# Altium PCB MiniPowerModule.Ver.A1.PcbDoc
Units mm, origin at the board's own origin, x right, y up, seen from the top; angles counter-clockwise.
Board outline 55.88 x 38.1 mm, 4 copper layers (Top Layer, Ground Plane, Power Plane, Bottom Layer), stack 1.586 mm thick; 91 components, 42 nets, 361 pads, 132 vias.
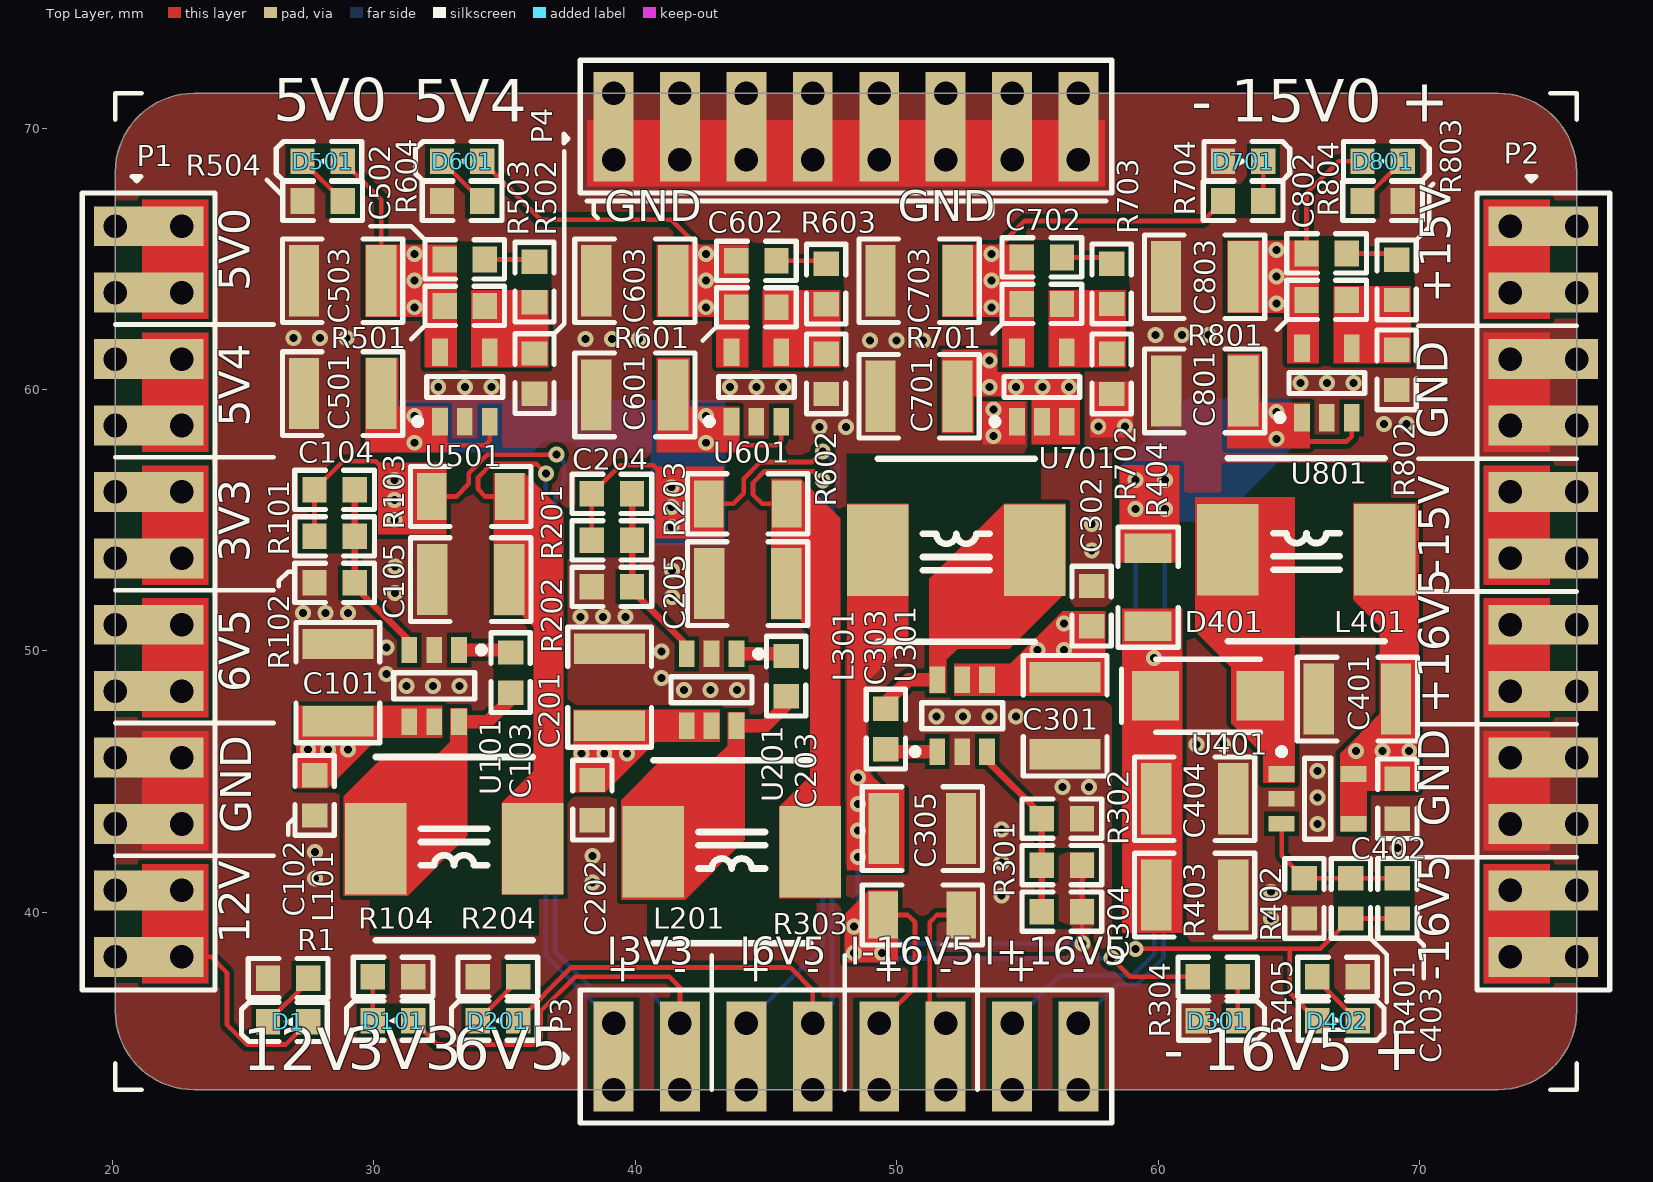
[diagram p0: Top Layer view]
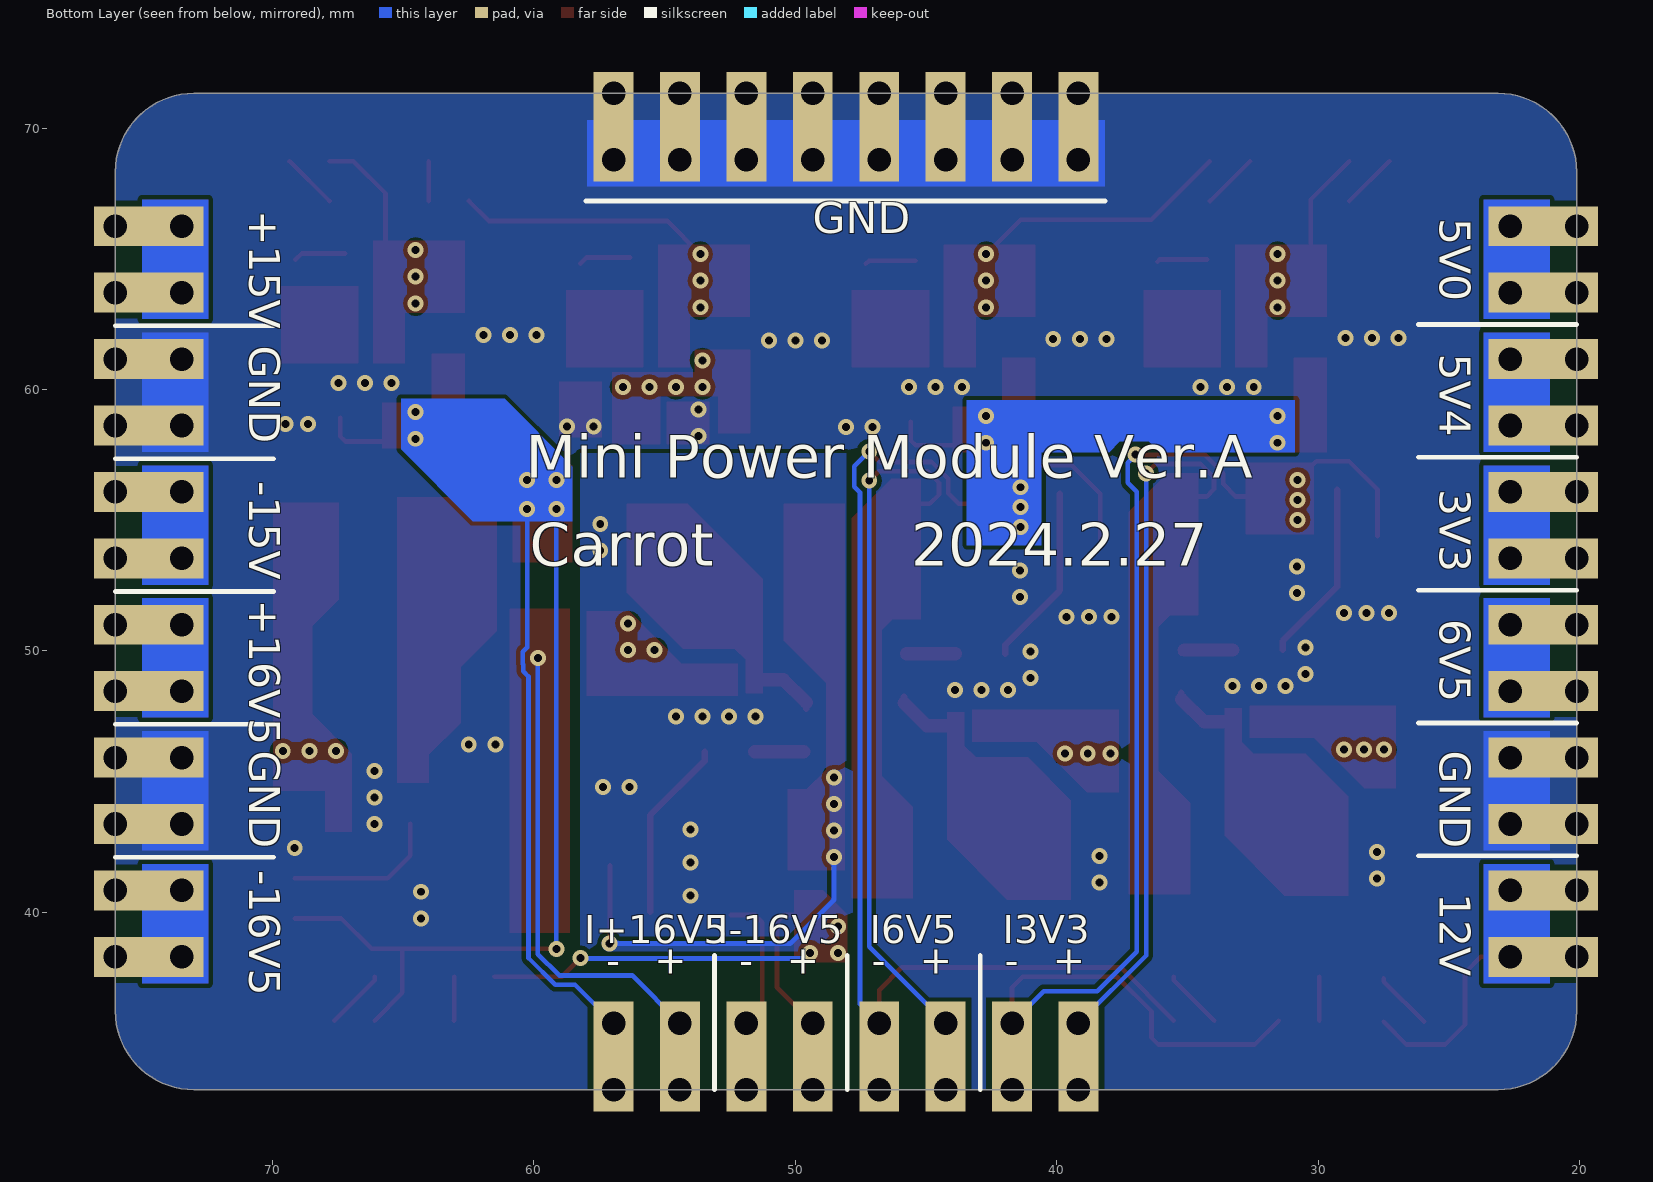
[diagram p1: Bottom Layer view, seen from below]
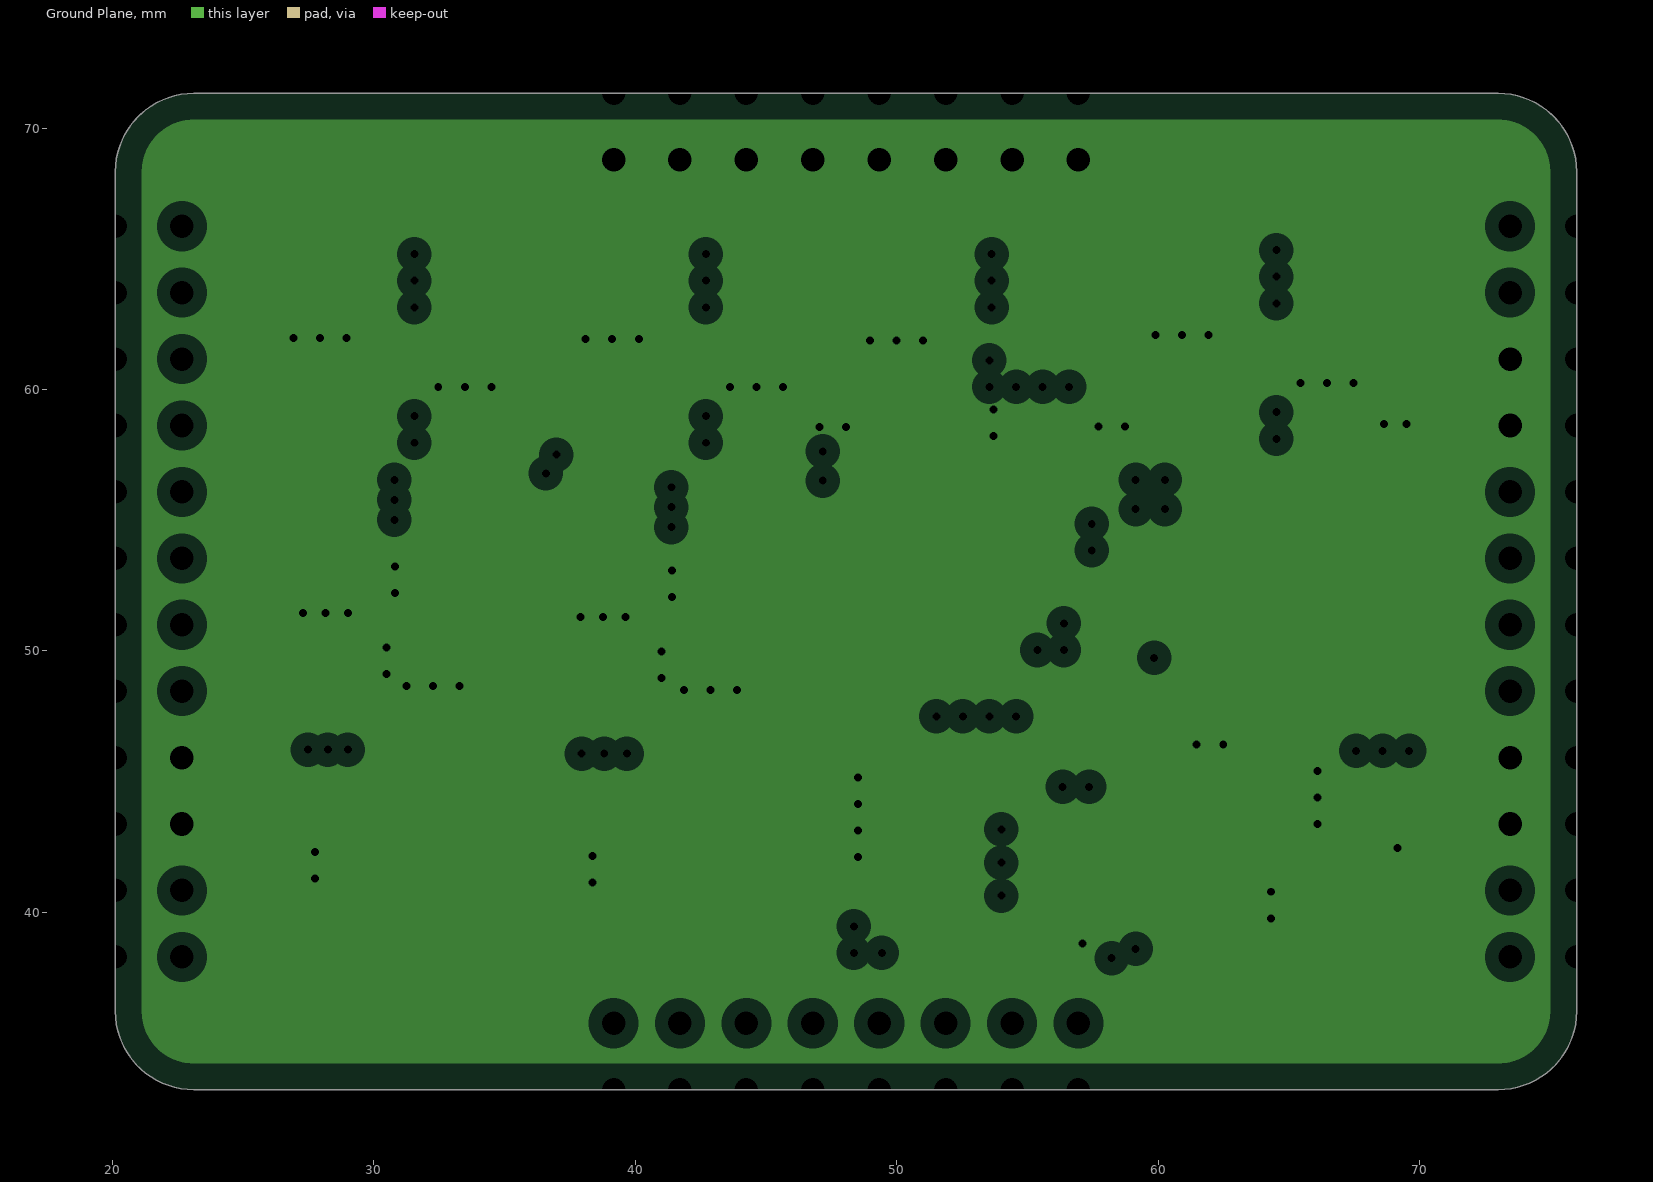
[diagram p2: Ground Plane, clearances drawn from the general rule]
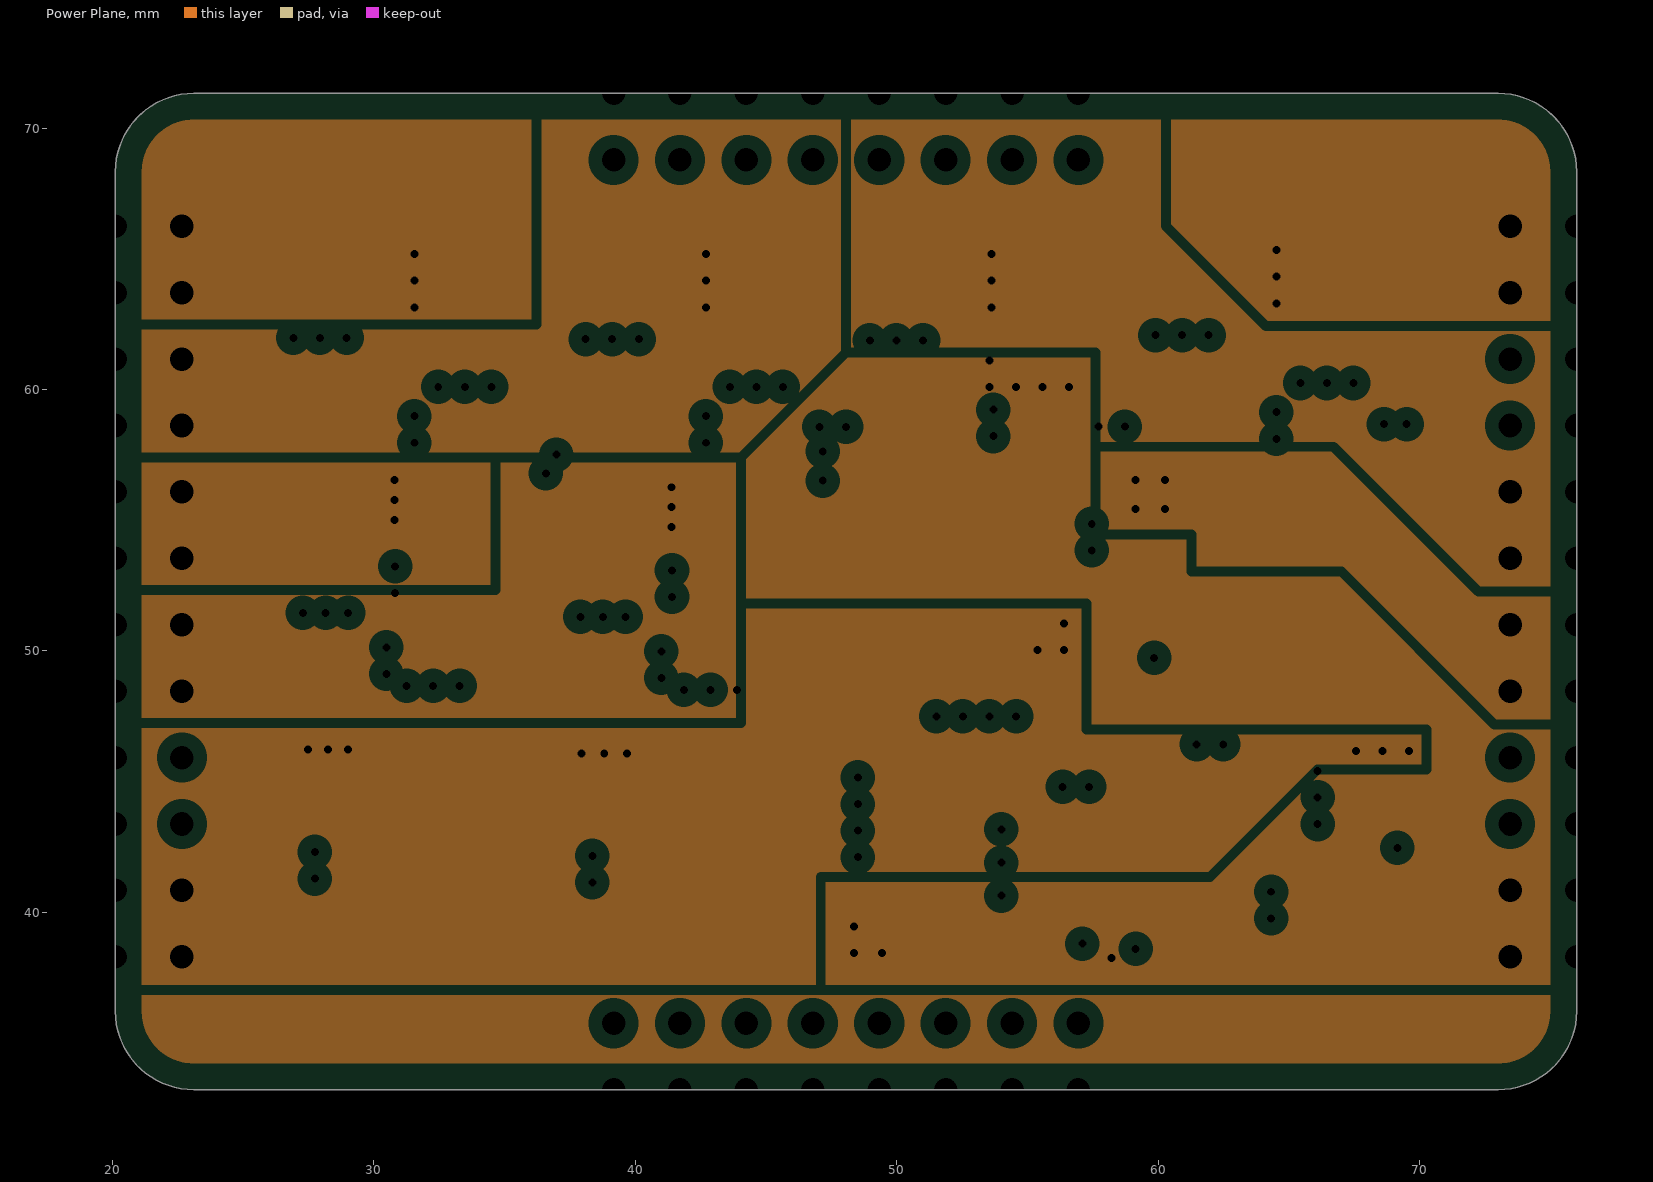
[diagram p3: Power Plane, clearances drawn from the general rule]
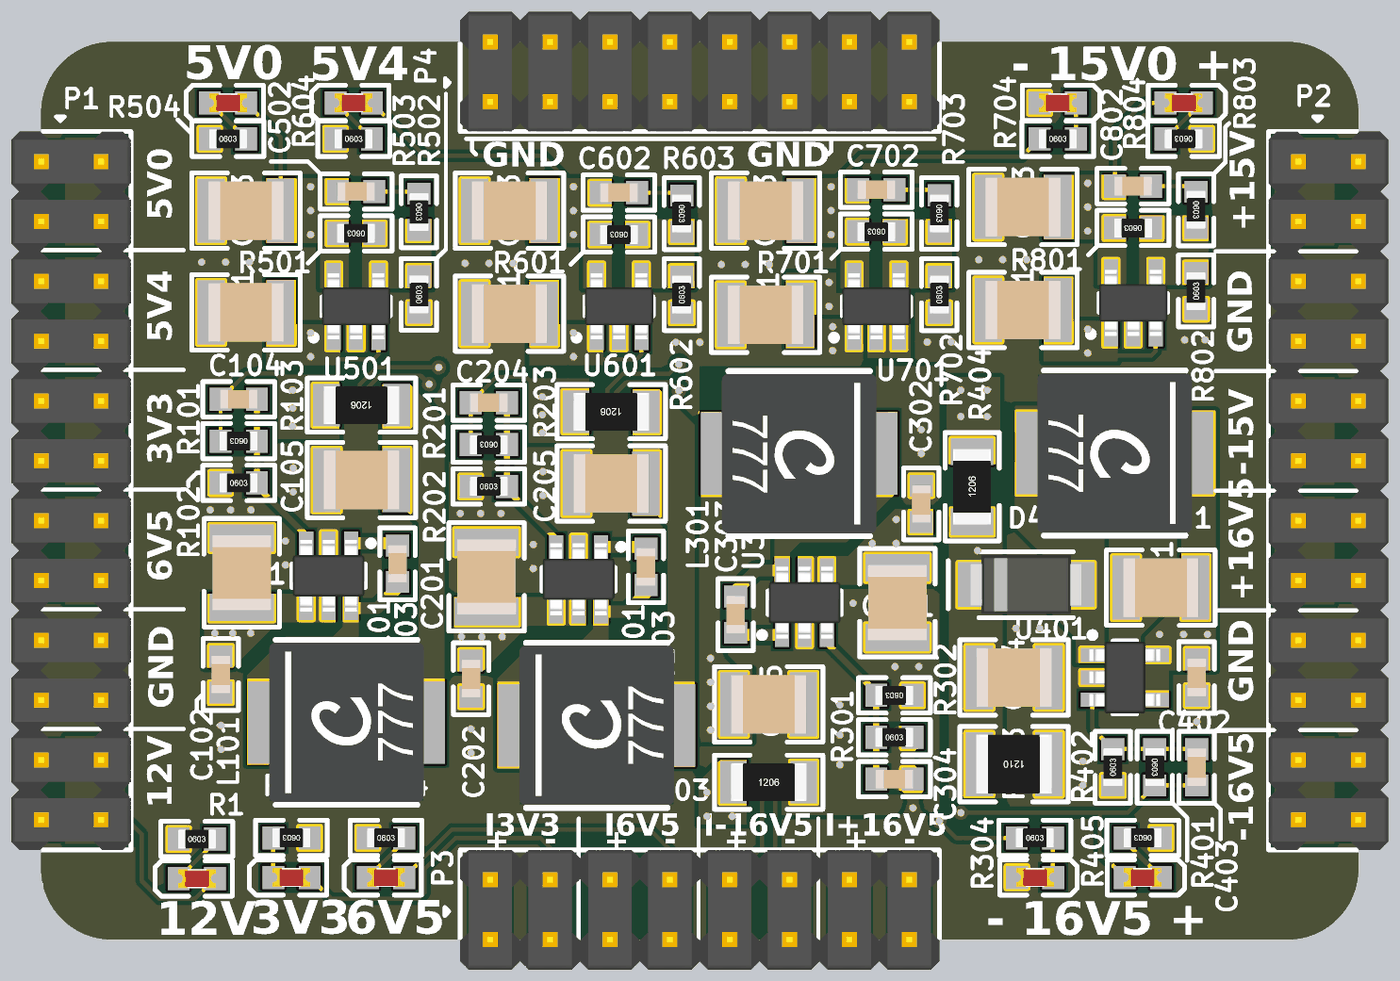
[diagram p4: 3D render of the assembled board from above, using the file's embedded part models]

## Layer stack, top to bottom
Top Solder: solder mask 0.0127, Solder Resist, Dk 3.8
Top Layer: signal copper 0.035
Dielectric 1: prepreg 0.2104, 7628, Dk 4.5
Ground Plane: plane copper 0.0152, net GND
Dielectric 3: core 1.065, FR-4, Dk 4.5
Power Plane: plane copper 0.0152, net GND
Dielectric 4: prepreg 0.2104, 7628, Dk 4.5
Bottom Layer: signal copper 0.035
Bottom Solder: solder mask 0.0127, Solder Resist, Dk 3.8

## Board outline
20.117,36.223 20.117,68.323 cw(c23.117,68.323) 23.117,71.323 72.997,71.323 cw(c72.997,68.323) 75.997,68.323 75.997,36.223 cw(c72.997,36.223) 72.997,33.223 23.117,33.223 cw(c23.117,36.223)

## Design rules (kind name [scope] priority, off if disabled: settings)
Clearance [All] p1: gap=0.178 ignorepadtopadclearanceinfootprint=FALSE
PlaneClearance [All] p1: clearance=0.508
PlaneConnect [All] p1: pad.planeconnectstyle=Relief pad.reliefexpansion=0.508 pad.reliefentries=4 pad.reliefconductorwidth=0.254 pad.reliefairgap=0.254 via.planeconnectstyle=Direct via.reliefexpansion=0.508 via.reliefentries=4 via.reliefconductorwidth=0.254 via.reliefairgap=0.254
PolygonConnect [All] p1: connectstyle=Direct reliefconductorwidth=0.254 reliefentries=4 polygonreliefangle="90 Angle" airgapwidth=0.254
RoutingVias [All] p1: holewidth=0.305 width=0.61 viastyle="Through Hole" minholewidth=0.305 minwidth=0.61 maxholewidth=0.711 maxwidth=1.27
SolderMaskExpansion [All] p1: expansion=0.102
Width [All] p1: maxlimit=2.54 minlimit=0.178 preferedwidth=0.254
28 further rules are at their usual default settings.

## Classes and differential pairs
component class Ldo.-16V5.-15V0: C701 C702 C703 D701 R701 R702 R703 R704 U701
component class Ldo.+16V5.+15V0: C801 C802 C803 D801 R801 R802 R803 R804 U801
component class Ldo.+6V5.+5V4: C601 C602 C603 D601 R601 R602 R603 R604 U601
component class Ldo.+6V5.+5V0: C501 C502 C503 D501 R501 R502 R503 R504 U501
component class Dcdc.12V0.+16V5: C401 C402 C403 C404 D401 D402 L401 R401 R402 R403 R404 R405 U401
component class Dcdc.12V0.-16V5: C301 C302 C303 C304 C305 D301 L301 R301 R302 R303 R304 U301
component class Dcdc.12V0.+6V5: C201 C202 C203 C204 C205 D201 L201 R201 R202 R203 R204 U201
component class Dcdc.12V0.+3V3: C101 C102 C103 C104 C105 D101 L101 R101 R102 R103 R104 U101
component class Connector: D1 P1 P2 P3 P4 R1

## Components (designator, comment, footprint, x,y, rotation, side; value= is the part's Value field where it differs from the comment)
C101 "Cap" C1210 28.626,48.793 r270 top value=10uf@50V
C102 "Cap" C0603 27.737,44.475 r90 top value=0.1uf
C103 "Cap" C0603 35.23,49.174 r90 top value=0.1uf
C104 "Cap" C0603 28.499,56.159 r0 top value=NC
C105 "Cap" C1210 33.706,52.73 r0 top value=10uf@50V
C201 "Cap" C1210 39.014,48.616 r270 top value=10uf@50V
C202 "Cap" C0603 38.354,44.298 r90 top value=0.1uf
C203 "Cap" C0603 45.771,49.039 r90 top value=0.1uf
C204 "Cap" C0603 39.106,56.01 r0 top value=NC
C205 "Cap" C1210 44.298,52.578 r0 top value=10uf@50V
C301 "Cap" C1210 56.439,47.523 r90 top value=10uf@50V
C302 "Cap" C0603 57.455,51.714 r270 top value=0.1uf
C303 "Cap" C0603 49.581,47.015 r270 top value=0.1uf
C304 "Cap" C0603 56.312,40.03 r180 top value=NC
C305 "Cap" C1210 50.978,43.205 r180 top value=10uf@50V
C401 "Cap" C1210 67.615,48.158 r0 top value=10uf@50V
C402 "Cap" C0603 69.139,44.348 r90 top value=0.1uf
C403 "Cap" C0603 69.139,40.538 r90 top value=180pf
C404 "Cap" C1210 61.392,44.348 r180 top value=10uf@50V
C501 "Cap" C1210 28.804,59.842 r0 top value=10uf@50V
C502 "Cap" C0603 33.477,64.973 r0 top value=0.1uf
C503 "Cap" C1210 28.804,64.16 r0 top value=10uf@50V
C601 "Cap" C1210 39.98,59.792 r0 top value=10uf@50V
C602 "Cap" C0603 44.628,64.922 r0 top value=0.1uf
C603 "Cap" C1210 39.98,64.16 r0 top value=10uf@50V
C701 "Cap" C1210 50.849,59.741 r0 top value=10uf@50V
C702 "Cap" C0603 55.55,65.049 r0 top value=0.1uf
C703 "Cap" C1210 50.851,64.16 r0 top value=10uf@50V
C801 "Cap" C1210 61.773,59.944 r0 top value=10uf@50V
C802 "Cap" C0603 66.438,65.202 r0 top value=0.1uf
C803 "Cap" C1210 61.771,64.313 r0 top value=10uf@50V
D1 "LED" LED0603 26.721,35.814 r180 top value=GREEN
D101 "LED" LED0603 30.734,35.865 r180 top value=GREEN
D201 "LED" LED0603 34.747,35.865 r180 top value=GREEN
D301 "LED" LED0603 62.281,35.865 r0 top value=GREEN
D401 "Diode" DIODE-SMAF 61.9,48.285 r0 top value=SS14
D402 "LED" LED0603 66.853,35.865 r0 top value=GREEN
D501 "LED" LED0603 28.042,68.732 r180 top value=GREEN
D601 "LED" LED0603 33.376,68.732 r180 top value=GREEN
D701 "LED" LED0603 63.246,68.732 r0 top value=GREEN
D801 "LED" LED0603 68.58,68.732 r0 top value=GREEN
L101 "Inductor Iron" L06063 33.071,42.443 r0 top value=10uH@4A
L201 "Inductor Iron" L06063 43.688,42.316 r0 top value=10uH@4A
L301 "Inductor Iron" L06063 52.273,53.848 r180 top value=22uH@2.3A
L401 "Inductor Iron" L06063 65.662,53.873 r180 top value=10uH@4A
P1 "Header 12X2" HDR2X12 20.117,66.243 r0 top locked
P2 "Header 12X2" HDR2X12 73.457,66.243 r0 top locked
P3 "Header 8X2" HDR2X8 39.167,33.223 r90 top locked
P4 "Header 8X2" HDR2X8 39.167,68.783 r90 top locked
R1 "Res" R0603 26.721,37.49 r0 top value=22K1
R101 "Res" R0603 28.499,54.381 r180 top value=51K
R102 "Res" R0603 28.499,52.603 r0 top value=22K1
R103 "Res" R1206 33.706,55.905 r180 top value=0R1
R104 "Res" R0603 30.734,37.541 r180 top value=3K3
R201 "Res" R0603 39.106,54.232 r180 top value=121K
R202 "Res" R0603 39.106,52.454 r0 top value=22K1
R203 "Res" R1206 44.298,55.626 r180 top value=0R1
R204 "Res" R0603 34.747,37.541 r0 top value=22K1
R301 "Res" R0603 56.312,41.808 r0 top value=340K
R302 "Res" R0603 56.312,43.586 r180 top value=22K1
R303 "Res" R1206 50.978,39.903 r0 top value=0R1
R304 "Res" R0603 62.273,37.541 r0 top value=47K
R401 "Res" R0603 67.361,40.538 r270 top value=169K
R402 "Res" R0603 65.583,40.538 r90 top value=13K3
R403 "Res" R1210 61.392,40.665 r180 top value=NC
R404 "Res" R1206 59.614,52.442 r90 top value=0R1
R405 "Res" R0603 66.853,37.541 r180 top value=47K
R501 "Res" R0603 33.477,63.195 r180 top value=316K
R502 "Res" R0603 36.144,60.604 r90 top value=100K
R503 "Res" R0603 36.144,64.11 r270 top value=10K
R504 "Res" R0603 28.042,67.208 r0 top value=10K
R601 "Res" R0603 44.628,63.144 r180 top value=348K
R602 "Res" R0603 47.295,60.596 r90 top value=100K
R603 "Res" R0603 47.295,64.033 r270 top value=10K
R604 "Res" R0603 33.376,67.208 r0 top value=10K
R701 "Res" R0603 55.55,63.271 r180 top value=147K
R702 "Res" R0603 58.217,60.596 r90 top value=13K
R703 "Res" R0603 58.217,64.041 r270 top value=13K
R704 "Res" R0603 63.246,67.208 r0 top value=47K
R801 "Res" R0603 66.438,63.424 r180 top value=1M15
R802 "Res" R0603 69.113,60.749 r90 top value=100K
R803 "Res" R0603 69.113,64.194 r270 top value=10K
R804 "Res" R0603 68.58,67.208 r180 top value=47K
U101 "TPS560430" TPS560430-SOT23-6 32.309,48.666 r270 top
U201 "TPS560430" TPS560430-SOT23-6 42.916,48.517 r270 top
U301 "TPS560430" TPS560430-SOT23-6 52.502,47.523 r90 top
U401 "LMR62014" LMR62014-SOT23-5 66.091,44.348 r0 top
U501 "ADP7118" ADP7118-TSOT5 33.477,60.096 r90 top
U601 "ADP7118" ADP7118-TSOT5 44.628,60.096 r90 top
U701 "ADP7182" ADP7182-TSOT5 55.55,60.096 r90 top
U801 "ADP7118" ADP7118-TSOT5 66.446,60.249 r90 top
